# Altium PCB Motherboard_PCB_Trimmed.PcbDoc (part 2 of 5) (continued)
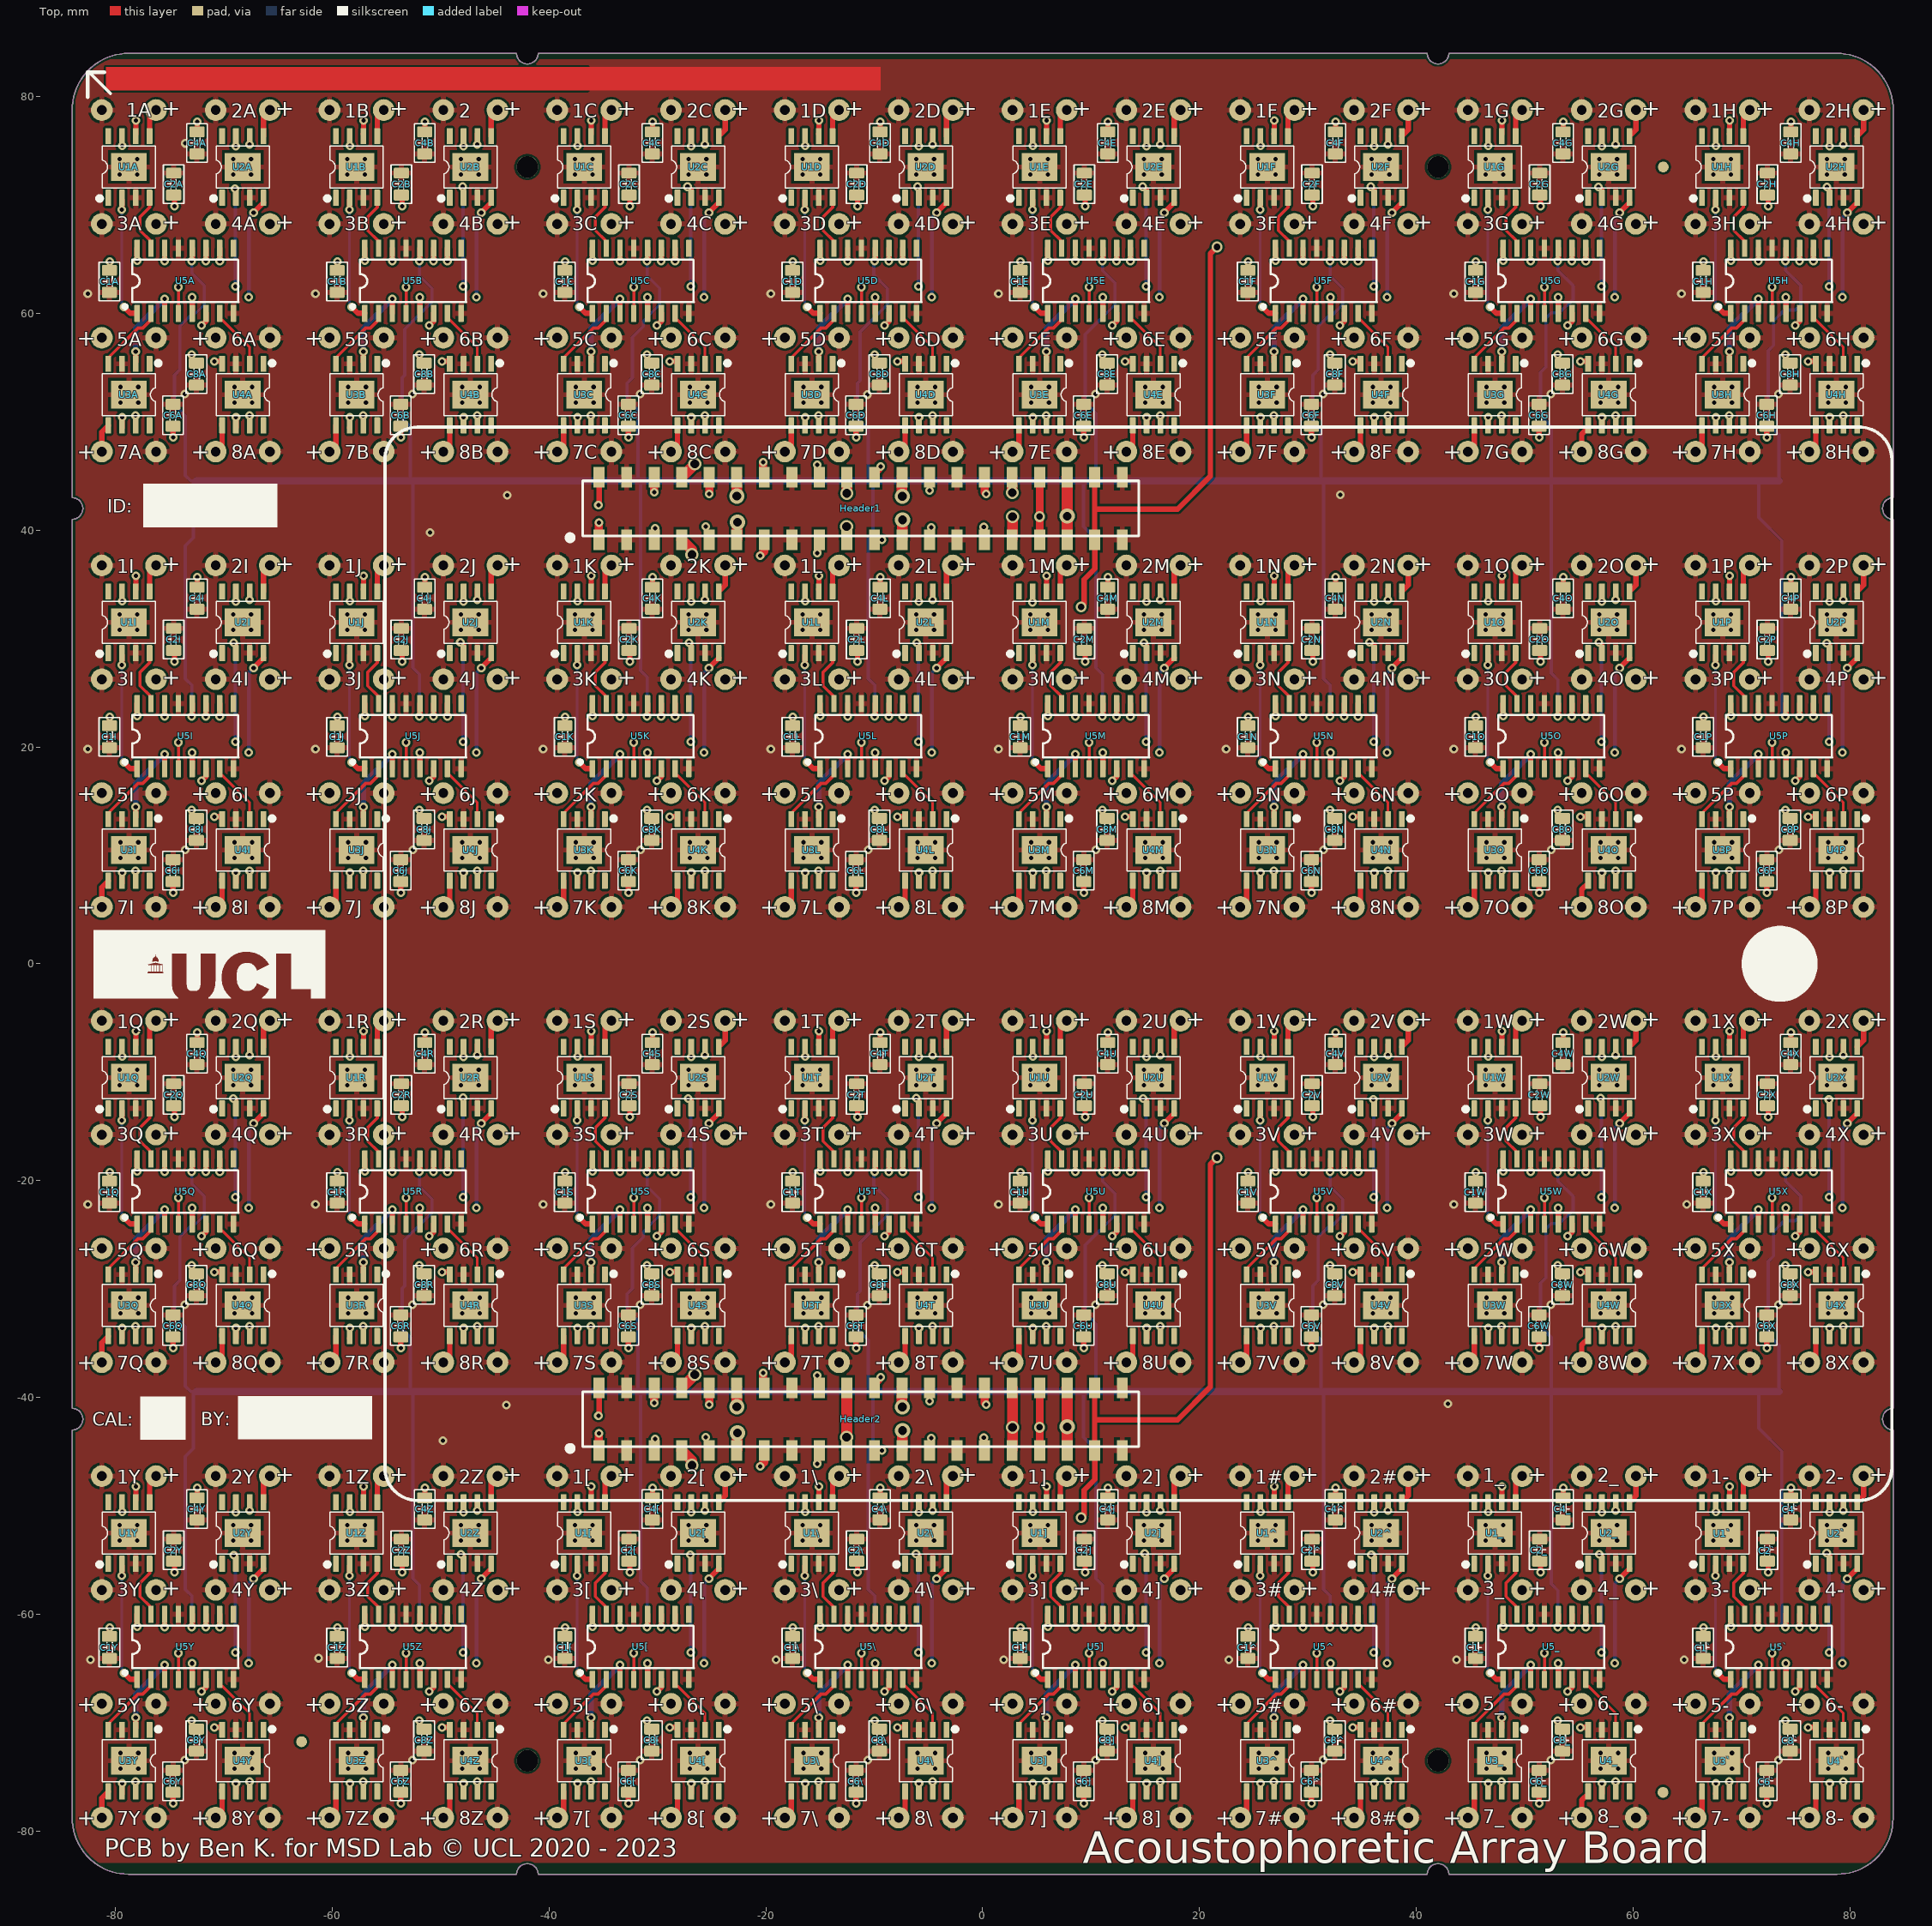
[diagram p0: Top view]
## Nets (pads, with @x,y where several pads share a name; then routed paths per layer and width w, separated by ;. In a path a pad name is that pad's centre, name@x,y a point inside that pad or via, vN(x,y) a via of type N, cw(c..) or ccw(c..) an arc to the next point about the centre after c; other vN are vias at no path point) (continued)
  Top w0.75: Header2.30@0.175,-39.1 Header2.30@0.175,-39.106 0.175,-40.5 v1(0.325,-40.65)
  Internal w0.3: v1(0.325,-40.65) 1.325,-41.65 60.75,-41.65 62.95,-39.45 62.95,-22.45 64.2,-21.2 68.95,-21.2 70.875,-19.275 71.45,-19.275 v1(71.55,-19.175)
DS25: Header2.1 U5Y.14 | length 59.3
  Top w0.5: U5Y.14@-75.455,-60 -75.45,-60.005 v1(-75.45,-61.175)
  Top w0.75: v1(-35.4,-43.3) -35.4,-44.872 Header2.1@-35.385,-44.887
  Internal w0.3: v1(-75.45,-61.175) -75.45,-60.6 -74.8,-59.95 -63.3,-59.95 -62.8,-59.45 -62.8,-45.046 -60.677,-42.923 -35.777,-42.923 v1(-35.4,-43.3)
DS26: Header2.5 U5Z.14 | length 42.4
  Top w0.3: Header2.5@-30.305,-44.887 -30.225,-44.807 v1(-30.225,-43.825)
  Top w0.5: U5Z.14@-54.455,-60 -54.45,-60.005 v1(-54.45,-61.175)
  Internal w0.3: v1(-54.45,-61.175) -54.45,-60.6 -53.8,-59.95 -42.8,-59.95 -42,-59.15 -42,-44.925 -41.325,-44.25 -30.65,-44.25 v1(-30.225,-43.825)
DS27: Header2.9 U5[.14 | length 23.7
  Top w0.3: U5[.14@-33.455,-60 -33.453,-60.003 -33.453,-61.172 v1(-33.45,-61.175) ; v1(-25.55,-43.675) -25.55,-44.562 Header2.9@-25.225,-44.887
  Internal w0.3: v1(-33.45,-61.175) -33.45,-60.45 -31.05,-58.05 -31.05,-52.55 -27.9,-49.4 -27.2,-49.4 -25.575,-47.775 -25.575,-43.7 v1(-25.55,-43.675)
DS28: Header2.13 U5\.14 | length 24.7
  Top w0.5: U5\.14@-12.455,-60 -12.45,-60.005 v1(-12.45,-61.175)
  Top w0.75: v1(-20.525,-46.35) -20.145,-45.97 Header2.13@-20.145,-44.894 Header2.13@-20.145,-44.887
  Internal w0.3: v1(-20.525,-46.35) -20.825,-46.65 -20.825,-58.7 -19.7,-59.825 -13.8,-59.825 v1(-12.45,-61.175)
DS29: Header2.17 U5].14 | length 38
  Top w0.3: v1(-15.25,-46.1) -15.065,-45.915 Header2.17@-15.065,-44.894 Header2.17@-15.065,-44.887 ; U5].14@8.545,-60 8.547,-60.003 8.547,-61.172 v1(8.55,-61.175)
  Internal w0.3: v1(-15.25,-46.1) -16.25,-47.1 -16.25,-48.75 -15.65,-49.35 -14.925,-49.35 -9.925,-54.35 -9.925,-58.625 -8.6,-59.95 7.325,-59.95 v1(8.55,-61.175)
DS30: Header2.21 U5^.14 | length 52.9
  Top w0.3: Header2.21@-9.985,-44.894 -9.979,-44.9 v1(-9.3,-44.9) ; U5^.14@29.545,-60 29.547,-60.003 29.547,-61.172 v1(29.55,-61.175)
  Internal w0.3: v1(-9.3,-44.9) -9.2,-44.8 -7.7,-44.8 -3,-49.5 20.3,-49.5 20.9,-50.1 20.9,-58.575 22.5,-60.175 29.175,-60.175 29.55,-60.55 v1(29.55,-61.175)
DS31: Header2.25 U5_.14 | length 71.9
  Top w0.3: Header2.25@-4.905,-44.894 -4.75,-44.739 v1(-4.75,-43.75) ; U5_.14@50.545,-60 50.547,-60.003 50.547,-61.172 v1(50.55,-61.175)
  Internal w0.3: v1(-4.75,-43.75) -3.4,-45.1 40,-45.1 41.7,-46.8 41.7,-58.1 43.8,-60.2 50.2,-60.2 50.55,-60.55 v1(50.55,-61.175)
DS32: Header2.29 U5`.14 | length 89.4
  Top w0.5: U5`.14@71.545,-60 71.55,-60.005 v1(71.55,-61.175)
  Top w0.75: Header2.29@0.1,-44.125 v1(0.1,-43.7)
  Internal w0.3: v1(0.1,-43.7) 1.45,-43.7 1.65,-43.9 62.4,-43.9 62.95,-44.45 62.95,-59.2 63.7,-59.95 71.2,-59.95 71.55,-60.3 v1(71.55,-61.175)
GND: 1#.- 1-.- 1[.- 1\.- 1].- 1_.- 1A.- 1B.- 1C.- 1D.- 1E.- 1F.- 1G.- 1H.- 1I.- 1J.- 1K.- 1L.- 1M.- 1N.- 1O.- 1P.- 1Q.- 1R.- 1S.- 1T.- 1U.- 1V.- 1W.- 1X.- 1Y.- 1Z.- 2#.- 2-.- 2.- 2[.- 2\.- 2].- 2_.- 2A.- 2C.- 2D.- 2E.- 2F.- 2G.- 2H.- 2I.- 2J.- 2K.- 2L.- 2M.- 2N.- 2O.- 2P.- 2Q.- 2R.- 2S.- 2T.- 2U.- 2V.- 2W.- 2X.- 2Y.- 2Z.- 3#.- 3-.- 3[.- 3\.- 3].- 3_.- 3A.- 3B.- 3C.- 3D.- 3E.- 3F.- 3G.- 3H.- 3I.- 3J.- 3K.- 3L.- 3M.- 3N.- 3O.- 3P.- 3Q.- 3R.- 3S.- 3T.- 3U.- 3V.- 3W.- 3X.- 3Y.- 3Z.- 4#.- 4-.- 4[.- 4\.- 4].- 4_.- 4A.- 4B.- 4C.- 4D.- 4E.- 4F.- 4G.- 4H.- 4I.- 4J.- 4K.- 4L.- 4M.- 4N.- 4O.- 4P.- 4Q.- 4R.- 4S.- 4T.- 4U.- 4V.- 4W.- 4X.- 4Y.- 4Z.- 5#.- 5-.- 5[.- 5\.- 5].- 5_.- 5A.- 5B.- 5C.- 5D.- 5E.- 5F.- 5G.- 5H.- 5I.- 5J.- 5K.- 5L.- 5M.- 5N.- 5O.- 5P.- 5Q.- 5R.- 5S.- 5T.- 5U.- 5V.- 5W.- 5X.- 5Y.- 5Z.- 6#.- 6-.- 6[.- 6\.- 6].- 6_.- 6A.- 6B.- 6C.- 6D.- 6E.- 6F.- 6G.- 6H.- 6I.- 6J.- 6K.- 6L.- 6M.- 6N.- 6O.- 6P.- 6Q.- 6R.- 6S.- 6T.- 6U.- 6V.- 6W.- 6X.- 6Y.- 6Z.- 7#.- 7-.- 7[.- 7\.- 7].- 7_.- 7A.- 7B.- 7C.- 7D.- 7E.- 7F.- 7G.- 7H.- 7I.- 7J.- 7K.- 7L.- 7M.- 7N.- 7O.- 7P.- 7Q.- 7R.- 7S.- 7T.- 7U.- 7V.- 7W.- 7X.- 7Y.- 7Z.- 8#.- 8-.- 8[.- 8\.- 8].- 8_.- 8A.- 8B.- 8C.- 8D.- 8E.- 8F.- 8G.- 8H.- 8I.- 8J.- 8K.- 8L.- 8M.- 8N.- 8O.- 8P.- 8Q.- 8R.- 8S.- 8T.- 8U.- 8V.- 8W.- 8X.- 8Y.- 8Z.- C1[.2 C1\.2 C1].2 C1^.2 C1_.2 C1`.2 C1A.2 C1B.2 C1C.2 C1D.2 C1E.2 C1F.2 C1G.2 C1H.2 C1I.2 C1J.2 C1K.2 C1L.2 C1M.2 C1N.2 C1O.2 C1P.2 C1Q.2 C1R.2 C1S.2 C1T.2 C1U.2 C1V.2 C1W.2 C1X.2 C1Y.2 C1Z.2 C2[.2 C2\.2 C2].2 C2^.2 C2_.2 C2`.2 C2A.2 C2B.2 C2C.2 C2D.2 C2E.2 C2F.2 C2G.2 C2H.2 C2I.2 C2J.2 C2K.2 C2L.2 C2M.2 C2N.2 C2O.2 C2P.2 C2Q.2 C2R.2 C2S.2 C2T.2 C2U.2 C2V.2 C2W.2 C2X.2 C2Y.2 C2Z.2 C4[.2 C4\.2 C4].2 C4^.2 C4_.2 C4`.2 C4A.2 C4B.2 C4C.2 C4D.2 C4E.2 C4F.2 C4G.2 C4H.2 C4I.2 C4J.2 C4K.2 C4L.2 C4M.2 C4N.2 C4O.2 C4P.2 C4Q.2 C4R.2 C4S.2 C4T.2 C4U.2 C4V.2 C4W.2 C4X.2 C4Y.2 C4Z.2 C6[.2 C6\.2 C6].2 C6^.2 C6_.2 C6`.2 C6A.2 C6B.2 C6C.2 C6D.2 C6E.2 C6F.2 C6G.2 C6H.2 C6I.2 C6J.2 C6K.2 C6L.2 C6M.2 C6N.2 C6O.2 C6P.2 C6Q.2 C6R.2 C6S.2 C6T.2 C6U.2 C6V.2 C6W.2 C6X.2 C6Y.2 C6Z.2 C8[.2 C8\.2 C8].2 C8^.2 C8_.2 C8`.2 C8A.2 C8B.2 C8C.2 C8D.2 C8E.2 C8F.2 C8G.2 C8H.2 C8I.2 C8J.2 C8K.2 C8L.2 C8M.2 C8N.2 C8O.2 C8P.2 C8Q.2 C8R.2 C8S.2 C8T.2 C8U.2 C8V.2 C8W.2 C8X.2 C8Y.2 C8Z.2 Header1.3 Header1.4 Header1.15 Header1.16 Header1.27 Header1.28 Header1.39 Header1.40 Header2.3 Header2.4 Header2.15 Header2.16 Header2.27 Header2.28 Header2.39 Header2.40 U1[.3 U1\.3 U1].3 U1^.3 U1_.3 U1`.3 U1A.3 U1B.3 U1C.3 U1D.3 U1E.3 U1F.3 U1G.3 U1H.3 U1I.3 U1J.3 U1K.3 U1L.3 U1M.3 U1N.3 U1O.3 U1P.3 U1Q.3 U1R.3 U1S.3 U1T.3 U1U.3 U1V.3 U1W.3 U1X.3 U1Y.3 U1Z.3 U2[.3 U2\.3 U2].3 U2^.3 U2_.3 U2`.3 U2A.3 U2B.3 U2C.3 U2D.3 U2E.3 U2F.3 U2G.3 U2H.3 U2I.3 U2J.3 U2K.3 U2L.3 U2M.3 U2N.3 U2O.3 U2P.3 U2Q.3 U2R.3 U2S.3 U2T.3 U2U.3 U2V.3 U2W.3 U2X.3 U2Y.3 U2Z.3 U3[.3 U3\.3 U3].3 U3^.3 U3_.3 U3`.3 U3A.3 U3B.3 U3C.3 U3D.3 U3E.3 U3F.3 U3G.3 U3H.3 U3I.3 U3J.3 U3K.3 U3L.3 U3M.3 U3N.3 U3O.3 U3P.3 U3Q.3 U3R.3 U3S.3 U3T.3 U3U.3 U3V.3 U3W.3 U3X.3 U3Y.3 U3Z.3 U4[.3 U4\.3 U4].3 U4^.3 U4_.3 U4`.3 U4A.3 U4B.3 U4C.3 U4D.3 U4E.3 U4F.3 U4G.3 U4H.3 U4I.3 U4J.3 U4K.3 U4L.3 U4M.3 U4N.3 U4O.3 U4P.3 U4Q.3 U4R.3 U4S.3 U4T.3 U4U.3 U4V.3 U4W.3 U4X.3 U4Y.3 U4Z.3 U5[.8 U5[.13 U5\.8 U5\.13 U5].8 U5].13 U5^.8 U5^.13 U5_.8 U5_.13 U5`.8 U5`.13 U5A.8 U5A.13 U5B.8 U5B.13 U5C.8 U5C.13 U5D.8 U5D.13 U5E.8 U5E.13 U5F.8 U5F.13 U5G.8 U5G.13 U5H.8 U5H.13 U5I.8 U5I.13 U5J.8 U5J.13 U5K.8 U5K.13 U5L.8 U5L.13 U5M.8 U5M.13 U5N.8 U5N.13 U5O.8 U5O.13 U5P.8 U5P.13 U5Q.8 U5Q.13 U5R.8 U5R.13 U5S.8 U5S.13 U5T.8 U5T.13 U5U.8 U5U.13 U5V.8 U5V.13 U5W.8 U5W.13 U5X.8 U5X.13 U5Y.8 U5Y.13 U5Z.8 U5Z.13 | length 0.3
  Top w0.5: C2B.2@-53.625,72.891 C2B.2@-53.625,72.941 ; C2C.2@-32.625,72.891 C2C.2@-32.625,72.941 ; C2D.2@-11.625,72.891 C2D.2@-11.625,72.941 ; C2E.2@9.375,72.891 C2E.2@9.375,72.941 ; C2F.2@30.375,72.891 C2F.2@30.375,72.941 ; C2G.2@51.375,72.891 C2G.2@51.375,72.941 ; C2H.2@72.375,72.891 C2H.2@72.375,72.941
  other v1: -73.6,-73.45 -52.6,-73.45 -31.6,-73.45 -10.6,-73.45 10.425,-73.45 52.4,-73.45 73.4,-73.45 31.4,-73.425 -82.3,-64.2 -40.05,-64.2 -19.05,-64.2 1.95,-64.2 22.7,-64.2 43.7,-64.2 64.7,-64.2 -61.249,-64.047 -49.8,-43.975 -43.925,-40.7 42.925,-40.575 -10.625,-31.475 -73.6,-31.45 -52.6,-31.45 -31.6,-31.45 10.4,-31.45 31.4,-31.45 52.4,-31.45 73.4,-31.45 -82.55,-22.2 -61.55,-22.2 -40.55,-22.2 -19.55,-22.2 1.45,-22.2 43.45,-22.2 64.95,-22.2 -73.55,10.525 -52.55,10.525 -31.55,10.525 -10.55,10.525 10.45,10.525 31.45,10.525 52.45,10.525 73.45,10.525 -82.55,19.8 -61.55,19.8 -40.55,19.8 -19.55,19.8 1.45,19.8 22.45,19.8 43.45,19.8 64.45,19.8 -50.975,39.775 -43.85,43.225 33,43.25 -10.625,52.5 -73.6,52.55 -52.6,52.55 -31.6,52.55 10.4,52.55 31.4,52.55 52.4,52.55 73.4,52.55 -82.55,61.8 -61.55,61.8 -40.55,61.8 -19.55,61.8 1.45,61.8 43.45,61.8 64.45,61.8 -73.55,75.675
  other v2: -79.512,-74.237 -77.886,-74.237 -69.012,-74.237 -67.386,-74.237 -58.512,-74.237 -56.886,-74.237 -48.012,-74.237 -46.386,-74.237 -37.512,-74.237 -35.886,-74.237 -27.012,-74.237 -25.386,-74.237 -16.512,-74.237 -14.886,-74.237 -6.012,-74.237 -4.386,-74.237 4.488,-74.237 6.114,-74.237 14.988,-74.237 16.614,-74.237 25.488,-74.237 27.114,-74.237 35.988,-74.237 37.614,-74.237 46.488,-74.237 48.114,-74.237 56.988,-74.237 58.614,-74.237 67.488,-74.237 69.114,-74.237 77.988,-74.237 79.614,-74.237 -79.512,-72.789 -77.886,-72.789 -69.012,-72.789 -67.386,-72.789 -58.512,-72.789 -56.886,-72.789 -48.012,-72.789 -46.386,-72.789 -37.512,-72.789 -35.886,-72.789 -27.012,-72.789 -25.386,-72.789 -16.512,-72.789 -14.886,-72.789 -6.012,-72.789 -4.386,-72.789 4.488,-72.789 6.114,-72.789 14.988,-72.789 16.614,-72.789 25.488,-72.789 27.114,-72.789 35.988,-72.789 37.614,-72.789 46.488,-72.789 48.114,-72.789 56.988,-72.789 58.614,-72.789 67.488,-72.789 69.114,-72.789 77.988,-72.789 79.614,-72.789 -79.614,-53.211 -77.988,-53.211 -69.114,-53.211 -67.488,-53.211 -58.614,-53.211 -56.988,-53.211 -48.114,-53.211 -46.488,-53.211 -37.614,-53.211 -35.988,-53.211 -27.114,-53.211 -25.488,-53.211 -16.614,-53.211 -14.988,-53.211 -6.114,-53.211 -4.488,-53.211 4.386,-53.211 6.012,-53.211 14.886,-53.211 16.512,-53.211 25.386,-53.211 27.012,-53.211 35.886,-53.211 37.512,-53.211 46.386,-53.211 48.012,-53.211 56.886,-53.211 58.512,-53.211 67.386,-53.211 69.012,-53.211 77.886,-53.211 79.512,-53.211 -79.614,-51.763 -77.988,-51.763 -69.114,-51.763 -67.488,-51.763 -58.614,-51.763 -56.988,-51.763 -48.114,-51.763 -46.488,-51.763 -37.614,-51.763 -35.988,-51.763 -27.114,-51.763 -25.488,-51.763 -16.614,-51.763 -14.988,-51.763 -6.114,-51.763 -4.488,-51.763 4.386,-51.763 6.012,-51.763 14.886,-51.763 16.512,-51.763 25.386,-51.763 27.012,-51.763 35.886,-51.763 37.512,-51.763 46.386,-51.763 48.012,-51.763 56.886,-51.763 58.512,-51.763 67.386,-51.763 69.012,-51.763 77.886,-51.763 79.512,-51.763 -79.512,-32.237 -77.886,-32.237 -69.012,-32.237 -67.386,-32.237 -58.512,-32.237 -56.886,-32.237 -48.012,-32.237 -46.386,-32.237 -37.512,-32.237 -35.886,-32.237 -27.012,-32.237 -25.386,-32.237 -16.512,-32.237 -14.886,-32.237 -6.012,-32.237 -4.386,-32.237 4.488,-32.237 6.114,-32.237 14.988,-32.237 16.614,-32.237 25.488,-32.237 27.114,-32.237 35.988,-32.237 37.614,-32.237 46.488,-32.237 48.114,-32.237 56.988,-32.237 58.614,-32.237 67.488,-32.237 69.114,-32.237 77.988,-32.237 79.614,-32.237 -79.512,-30.789 -77.886,-30.789 -69.012,-30.789 -67.386,-30.789 -58.512,-30.789 -56.886,-30.789 -48.012,-30.789 -46.386,-30.789 -37.512,-30.789 -35.886,-30.789 -27.012,-30.789 -25.386,-30.789 -16.512,-30.789 -14.886,-30.789 -6.012,-30.789 -4.386,-30.789 4.488,-30.789 6.114,-30.789 14.988,-30.789 16.614,-30.789 25.488,-30.789 27.114,-30.789 35.988,-30.789 37.614,-30.789 46.488,-30.789 48.114,-30.789 56.988,-30.789 58.614,-30.789 67.488,-30.789 69.114,-30.789 77.988,-30.789 79.614,-30.789 -79.614,-11.211 -77.988,-11.211 -69.114,-11.211 -67.488,-11.211 -58.614,-11.211 -56.988,-11.211 -48.114,-11.211 -46.488,-11.211 -37.614,-11.211 -35.988,-11.211 -27.114,-11.211 -25.488,-11.211 -16.614,-11.211 -14.988,-11.211 -6.114,-11.211 -4.488,-11.211 4.386,-11.211 6.012,-11.211 14.886,-11.211 16.512,-11.211 25.386,-11.211 27.012,-11.211 35.886,-11.211 37.512,-11.211 46.386,-11.211 48.012,-11.211 56.886,-11.211 58.512,-11.211 67.386,-11.211 69.012,-11.211 77.886,-11.211 79.512,-11.211 -79.614,-9.763 -77.988,-9.763 -69.114,-9.763 -67.488,-9.763 -58.614,-9.763 -56.988,-9.763 -48.114,-9.763 -46.488,-9.763 -37.614,-9.763 -35.988,-9.763 -27.114,-9.763 -25.488,-9.763 -16.614,-9.763 -14.988,-9.763 -6.114,-9.763 -4.488,-9.763 4.386,-9.763 6.012,-9.763 14.886,-9.763 16.512,-9.763 25.386,-9.763 27.012,-9.763 35.886,-9.763 37.512,-9.763 46.386,-9.763 48.012,-9.763 56.886,-9.763 58.512,-9.763 67.386,-9.763 69.012,-9.763 77.886,-9.763 79.512,-9.763 -79.512,9.763 -77.886,9.763 -69.012,9.763 -67.386,9.763 -58.512,9.763 -56.886,9.763 -48.012,9.763 -46.386,9.763 -37.512,9.763 -35.886,9.763 -27.012,9.763 -25.386,9.763 -16.512,9.763 -14.886,9.763 -6.012,9.763 -4.386,9.763 4.488,9.763 6.114,9.763 14.988,9.763 16.614,9.763 25.488,9.763 27.114,9.763 35.988,9.763 37.614,9.763 46.488,9.763 48.114,9.763 56.988,9.763 58.614,9.763 67.488,9.763 69.114,9.763 77.988,9.763 79.614,9.763 -79.512,11.211 -77.886,11.211 -69.012,11.211 -67.386,11.211 -58.512,11.211 -56.886,11.211 -48.012,11.211 -46.386,11.211 -37.512,11.211 -35.886,11.211 -27.012,11.211 -25.386,11.211 -16.512,11.211 -14.886,11.211 -6.012,11.211 -4.386,11.211 4.488,11.211 6.114,11.211 14.988,11.211 16.614,11.211 25.488,11.211 27.114,11.211 35.988,11.211 37.614,11.211 46.488,11.211 48.114,11.211 56.988,11.211 58.614,11.211 67.488,11.211 69.114,11.211 77.988,11.211 79.614,11.211 -79.614,30.789 -77.988,30.789 -69.114,30.789 -67.488,30.789 -58.614,30.789 -56.988,30.789 -48.114,30.789 -46.488,30.789 -37.614,30.789 -35.988,30.789 -27.114,30.789 -25.488,30.789 -16.614,30.789 -14.988,30.789 -6.114,30.789 -4.488,30.789 4.386,30.789 6.012,30.789 14.886,30.789 16.512,30.789 25.386,30.789 27.012,30.789 35.886,30.789 37.512,30.789 46.386,30.789 48.012,30.789 56.886,30.789 58.512,30.789 67.386,30.789 69.012,30.789 77.886,30.789 79.512,30.789 -79.614,32.237 -77.988,32.237 -69.114,32.237 -67.488,32.237 -58.614,32.237 -56.988,32.237 -48.114,32.237 -46.488,32.237 -37.614,32.237 -35.988,32.237 -27.114,32.237 -25.488,32.237 -16.614,32.237 -14.988,32.237 -6.114,32.237 -4.488,32.237 4.386,32.237 6.012,32.237 14.886,32.237 16.512,32.237 25.386,32.237 27.012,32.237 35.886,32.237 37.512,32.237 46.386,32.237 48.012,32.237 56.886,32.237 58.512,32.237 67.386,32.237 69.012,32.237 77.886,32.237 79.512,32.237 -79.512,51.763 -77.886,51.763 -69.012,51.763 -67.386,51.763 -58.512,51.763 -56.886,51.763 -48.012,51.763 -46.386,51.763 -37.512,51.763 -35.886,51.763 -27.012,51.763 -25.386,51.763 -16.512,51.763 -14.886,51.763 -6.012,51.763 -4.386,51.763 4.488,51.763 6.114,51.763 14.988,51.763 16.614,51.763 25.488,51.763 27.114,51.763 35.988,51.763 37.614,51.763 46.488,51.763 48.114,51.763 56.988,51.763 58.614,51.763 67.488,51.763 69.114,51.763 77.988,51.763 79.614,51.763 -79.512,53.211 -77.886,53.211 -69.012,53.211 -67.386,53.211 -58.512,53.211 -56.886,53.211 -48.012,53.211 -46.386,53.211 -37.512,53.211 -35.886,53.211 -27.012,53.211 -25.386,53.211 -16.512,53.211 -14.886,53.211 -6.012,53.211 -4.386,53.211 4.488,53.211 6.114,53.211 14.988,53.211 16.614,53.211 25.488,53.211 27.114,53.211 35.988,53.211 37.614,53.211 46.488,53.211 48.114,53.211 56.988,53.211 58.614,53.211 67.488,53.211 69.114,53.211 77.988,53.211 79.614,53.211 -79.614,72.789 -77.988,72.789 -69.114,72.789 -67.488,72.789 -58.614,72.789 -56.988,72.789 -48.114,72.789 -46.488,72.789 -37.614,72.789 -35.988,72.789 -27.114,72.789 -25.488,72.789 -16.614,72.789 -14.988,72.789 -6.114,72.789 -4.488,72.789 4.386,72.789 6.012,72.789 14.886,72.789 16.512,72.789 25.386,72.789 27.012,72.789 35.886,72.789 37.512,72.789 46.386,72.789 48.012,72.789 56.886,72.789 58.512,72.789 67.386,72.789 69.012,72.789 77.886,72.789 79.512,72.789 -79.614,74.237 -77.988,74.237 -69.114,74.237 -67.488,74.237 -58.614,74.237 -56.988,74.237 -48.114,74.237 -46.488,74.237 -37.614,74.237 -35.988,74.237 -27.114,74.237 -25.488,74.237 -16.614,74.237 -14.988,74.237 -6.114,74.237 -4.488,74.237 4.386,74.237 6.012,74.237 14.886,74.237 16.512,74.237 25.386,74.237 27.012,74.237 35.886,74.237 37.512,74.237 46.386,74.237 48.012,74.237 56.886,74.237 58.512,74.237 67.386,74.237 69.012,74.237 77.886,74.237 79.512,74.237
INA_1[: U1[.2 U5[.1 | length 11.4
  Top w0.5: v1@-37.395,-56.45 U1[.2@-37.395,-55.545 ; v1(-37.2,-65.425) -36.625,-66 U5[.1@-35.995,-66
  Bottom w0.254: v1(-37.4,-56.45) -37.4,-65.225 v1(-37.2,-65.425)
INA_1\: U1\.2 U5\.1 | length 11.4
  Top w0.5: v1@-16.395,-56.45 U1\.2@-16.395,-55.545 ; v1(-16.2,-65.425) -15.625,-66 U5\.1@-14.995,-66
  Bottom w0.254: v1(-16.4,-56.45) -16.4,-65.225 v1(-16.2,-65.425)
INA_1]: U1].2 U5].1 | length 11.4
  Top w0.5: v1@4.605,-56.45 U1].2@4.605,-55.545 ; v1(4.8,-65.425) 5.375,-66 U5].1@6.005,-66
  Bottom w0.254: v1(4.6,-56.45) 4.6,-65.225 v1(4.8,-65.425)
INA_1^: U1^.2 U5^.1 | length 11.4
  Top w0.5: v1@25.605,-56.45 U1^.2@25.605,-55.545 ; v1(25.8,-65.425) 26.375,-66 U5^.1@27.005,-66
  Bottom w0.254: v1(25.6,-56.45) 25.6,-65.225 v1(25.8,-65.425)
INA_1_: U1_.2 U5_.1 | length 11.4
  Top w0.5: v1@46.605,-56.45 U1_.2@46.605,-55.545 ; v1(46.8,-65.425) 47.375,-66 U5_.1@48.005,-66
  Bottom w0.254: v1(46.6,-56.45) 46.6,-65.225 v1(46.8,-65.425)
INA_1`: U1`.2 U5`.1 | length 11.4
  Top w0.5: v1@67.605,-56.45 U1`.2@67.605,-55.545 ; v1(67.8,-65.425) 68.375,-66 U5`.1@69.005,-66
  Bottom w0.254: v1(67.6,-56.45) 67.6,-65.225 v1(67.8,-65.425)
INA_1A: U1A.2 U5A.1 | length 11.4
  Top w0.5: v1@-79.395,69.55 U1A.2@-79.395,70.455 ; v1(-79.2,60.575) -78.625,60 U5A.1@-77.995,60
  Bottom w0.254: v1(-79.4,69.55) -79.4,60.775 v1(-79.2,60.575)
INA_1B: U1B.2 U5B.1 | length 11.4
  Top w0.5: v1@-58.395,69.55 U1B.2@-58.395,70.455 ; v1(-58.2,60.575) -57.625,60 U5B.1@-56.995,60
  Bottom w0.254: v1(-58.4,69.55) -58.4,60.775 v1(-58.2,60.575)
INA_1C: U1C.2 U5C.1 | length 11.4
  Top w0.5: v1@-37.395,69.55 U1C.2@-37.395,70.455 ; v1(-37.2,60.575) -36.625,60 U5C.1@-35.995,60
  Bottom w0.254: v1(-37.4,69.55) -37.4,60.775 v1(-37.2,60.575)
INA_1D: U1D.2 U5D.1 | length 11.4
  Top w0.5: v1@-16.395,69.55 U1D.2@-16.395,70.455 ; v1(-16.2,60.575) -15.625,60 U5D.1@-14.995,60
  Bottom w0.254: v1(-16.4,69.55) -16.4,60.775 v1(-16.2,60.575)
INA_1E: U1E.2 U5E.1 | length 11.4
  Top w0.5: v1@4.605,69.55 U1E.2@4.605,70.455 ; v1(4.8,60.575) 5.375,60 U5E.1@6.005,60
  Bottom w0.254: v1(4.6,69.55) 4.6,60.775 v1(4.8,60.575)
INA_1F: U1F.2 U5F.1 | length 11.4
  Top w0.5: v1@25.605,69.55 U1F.2@25.605,70.455 ; v1(25.8,60.575) 26.375,60 U5F.1@27.005,60
  Bottom w0.254: v1(25.6,69.55) 25.6,60.775 v1(25.8,60.575)
INA_1G: U1G.2 U5G.1 | length 11.4
  Top w0.5: v1@46.605,69.55 U1G.2@46.605,70.455 ; v1(46.8,60.575) 47.375,60 U5G.1@48.005,60
  Bottom w0.254: v1(46.6,69.55) 46.6,60.775 v1(46.8,60.575)
INA_1H: U1H.2 U5H.1 | length 11.4
  Top w0.5: v1@67.605,69.55 U1H.2@67.605,70.455 ; v1(67.8,60.575) 68.375,60 U5H.1@69.005,60
  Bottom w0.254: v1(67.6,69.55) 67.6,60.775 v1(67.8,60.575)
INA_1I: U1I.2 U5I.1 | length 11.4
  Top w0.5: v1@-79.395,27.55 U1I.2@-79.395,28.455 ; v1(-79.2,18.575) -78.625,18 U5I.1@-77.995,18
  Bottom w0.254: v1(-79.4,27.55) -79.4,18.775 v1(-79.2,18.575)
INA_1J: U1J.2 U5J.1 | length 11.4
  Top w0.5: v1@-58.395,27.55 U1J.2@-58.395,28.455 ; v1(-58.2,18.575) -57.625,18 U5J.1@-56.995,18
  Bottom w0.254: v1(-58.4,27.55) -58.4,18.775 v1(-58.2,18.575)
INA_1K: U1K.2 U5K.1 | length 11.4
  Top w0.5: v1@-37.395,27.55 U1K.2@-37.395,28.455 ; v1(-37.2,18.575) -36.625,18 U5K.1@-35.995,18
  Bottom w0.254: v1(-37.4,27.55) -37.4,18.775 v1(-37.2,18.575)
INA_1L: U1L.2 U5L.1 | length 11.4
  Top w0.5: v1@-16.395,27.55 U1L.2@-16.395,28.455 ; v1(-16.2,18.575) -15.625,18 U5L.1@-14.995,18
  Bottom w0.254: v1(-16.4,27.55) -16.4,18.775 v1(-16.2,18.575)
INA_1M: U1M.2 U5M.1 | length 11.4
  Top w0.5: v1@4.605,27.55 U1M.2@4.605,28.455 ; v1(4.8,18.575) 5.375,18 U5M.1@6.005,18
  Bottom w0.254: v1(4.6,27.55) 4.6,18.775 v1(4.8,18.575)
INA_1N: U1N.2 U5N.1 | length 11.4
  Top w0.5: v1@25.605,27.55 U1N.2@25.605,28.455 ; v1(25.8,18.575) 26.375,18 U5N.1@27.005,18
  Bottom w0.254: v1(25.6,27.55) 25.6,18.775 v1(25.8,18.575)
INA_1O: U1O.2 U5O.1 | length 11.4
  Top w0.5: v1@46.605,27.55 U1O.2@46.605,28.455 ; v1(46.8,18.575) 47.375,18 U5O.1@48.005,18
  Bottom w0.254: v1(46.6,27.55) 46.6,18.775 v1(46.8,18.575)
INA_1P: U1P.2 U5P.1 | length 11.4
  Top w0.5: v1@67.605,27.55 U1P.2@67.605,28.455 ; v1(67.8,18.575) 68.375,18 U5P.1@69.005,18
  Bottom w0.254: v1(67.6,27.55) 67.6,18.775 v1(67.8,18.575)
INA_1Q: U1Q.2 U5Q.1 | length 11.4
  Top w0.5: v1@-79.395,-14.45 U1Q.2@-79.395,-13.545 ; v1(-79.2,-23.425) -78.625,-24 U5Q.1@-77.995,-24
  Bottom w0.254: v1(-79.4,-14.45) -79.4,-23.225 v1(-79.2,-23.425)
INA_1R: U1R.2 U5R.1 | length 11.4
  Top w0.5: v1@-58.395,-14.45 U1R.2@-58.395,-13.545 ; v1(-58.2,-23.425) -57.625,-24 U5R.1@-56.995,-24
  Bottom w0.254: v1(-58.4,-14.45) -58.4,-23.225 v1(-58.2,-23.425)
INA_1S: U1S.2 U5S.1 | length 11.4
  Top w0.5: v1@-37.395,-14.45 U1S.2@-37.395,-13.545 ; v1(-37.2,-23.425) -36.625,-24 U5S.1@-35.995,-24
  Bottom w0.254: v1(-37.4,-14.45) -37.4,-23.225 v1(-37.2,-23.425)
INA_1T: U1T.2 U5T.1 | length 11.4
  Top w0.5: v1@-16.395,-14.45 U1T.2@-16.395,-13.545 ; v1(-16.2,-23.425) -15.625,-24 U5T.1@-14.995,-24
  Bottom w0.254: v1(-16.4,-14.45) -16.4,-23.225 v1(-16.2,-23.425)
INA_1U: U1U.2 U5U.1 | length 11.4
  Top w0.5: v1@4.605,-14.45 U1U.2@4.605,-13.545 ; v1(4.8,-23.425) 5.375,-24 U5U.1@6.005,-24
  Bottom w0.254: v1(4.6,-14.45) 4.6,-23.225 v1(4.8,-23.425)
INA_1V: U1V.2 U5V.1 | length 11.4
  Top w0.5: v1@25.605,-14.45 U1V.2@25.605,-13.545 ; v1(25.8,-23.425) 26.375,-24 U5V.1@27.005,-24
  Bottom w0.254: v1(25.6,-14.45) 25.6,-23.225 v1(25.8,-23.425)
INA_1W: U1W.2 U5W.1 | length 11.4
  Top w0.5: v1@46.605,-14.45 U1W.2@46.605,-13.545 ; v1(46.8,-23.425) 47.375,-24 U5W.1@48.005,-24
  Bottom w0.254: v1(46.6,-14.45) 46.6,-23.225 v1(46.8,-23.425)
INA_1X: U1X.2 U5X.1 | length 11.4
  Top w0.5: v1@67.605,-14.45 U1X.2@67.605,-13.545 ; v1(67.8,-23.425) 68.375,-24 U5X.1@69.005,-24
  Bottom w0.254: v1(67.6,-14.45) 67.6,-23.225 v1(67.8,-23.425)
INA_1Y: U1Y.2 U5Y.1 | length 11.4
  Top w0.5: v1@-79.395,-56.45 U1Y.2@-79.395,-55.545 ; v1(-79.2,-65.425) -78.625,-66 U5Y.1@-77.995,-66
  Bottom w0.254: v1(-79.4,-56.45) -79.4,-65.225 v1(-79.2,-65.425)
INA_1Z: U1Z.2 U5Z.1 | length 11.4
  Top w0.5: v1@-58.395,-56.45 U1Z.2@-58.395,-55.545 ; v1(-58.2,-65.425) -57.625,-66 U5Z.1@-56.995,-66
  Bottom w0.254: v1(-58.4,-56.45) -58.4,-65.225 v1(-58.2,-65.425)
INA_2[: U2[.2 U5[.4 | length 17.8
  Top w0.305: U5[.4@-32.185,-66 -32.175,-65.99 v1(-32.175,-63.575) ; v1(-26.975,-54.508) -26.962,-54.508 v1@-26.885,-54.585
  Top w0.5: U2[.2@-26.885,-55.545 U2[.2@-26.885,-55.345 v1@-26.885,-54.585
  Internal w0.305: v1(-32.175,-63.575) -26.975,-63.575 v1(-26.925,-63.525)
  Bottom w0.305: v1(-26.975,-54.508) -26.925,-54.558 v1(-26.925,-63.525)
INA_2\: U2\.2 U5\.4 | length 18.2
  Top w0.305: U5\.4@-11.185,-66 -11.175,-65.99 v1(-11.175,-63.575) ; v1(-6.147,-54.407) -6.063,-54.407 v1@-5.885,-54.585
  Top w0.5: U2\.2@-5.885,-55.545 U2\.2@-5.885,-55.345 v1@-5.885,-54.585
  Internal w0.305: v1(-11.175,-63.575) -5.975,-63.575 v1(-5.925,-63.525)
  Bottom w0.305: v1(-6.147,-54.407) -6.143,-54.407 -5.925,-54.625 v1(-5.925,-63.525)
INA_2]: U2].2 U5].4 | length 18.1
  Top w0.305: U5].4@9.815,-66 9.825,-65.99 v1(9.825,-63.575) ; v1(14.935,-54.381) 14.935,-54.405 v1@15.115,-54.585
  Top w0.5: U2].2@15.115,-55.545 U2].2@15.115,-55.345 v1@15.115,-54.585
  Internal w0.305: v1(9.825,-63.575) 15.025,-63.575 v1(15.075,-63.525)
  Bottom w0.305: v1(14.935,-54.381) 15.075,-54.521 v1(15.075,-63.525)
INA_2^: U2^.2 U5^.4 | length 18.4
  Top w0.305: U5^.4@30.815,-66 30.825,-65.99 v1(30.825,-63.575) ; v1(35.85,-54.5) 36.069,-54.5 36.115,-54.454 v1@36.115,-54.585
  Top w0.5: U2^.2@36.115,-55.545 U2^.2@36.115,-55.345 v1@36.115,-54.585
  Internal w0.305: v1(30.825,-63.575) 36.025,-63.575 v1(36.075,-63.525)
  Bottom w0.305: v1(35.85,-54.5) 35.989,-54.5 36.075,-54.414 v1(36.075,-63.525)
INA_2_: U2_.2 U5_.4 | length 18.1
  Top w0.305: U5_.4@51.815,-66 51.825,-65.99 v1(51.825,-63.575) ; v1(56.871,-54.458) 56.988,-54.458 v1@57.115,-54.585
  Top w0.5: U2_.2@57.115,-55.545 U2_.2@57.115,-55.345 v1@57.115,-54.585
  Internal w0.305: v1(51.825,-63.575) 57.025,-63.575 v1(57.075,-63.525)
  Bottom w0.305: v1(56.871,-54.458) 56.908,-54.458 57.075,-54.625 v1(57.075,-63.525)
INA_2`: U2`.2 U5`.4 | length 18.3
  Top w0.305: U5`.4@72.815,-66 72.825,-65.99 v1(72.825,-63.575) ; v1(77.851,-54.356) 77.886,-54.356 v1@78.115,-54.585
  Top w0.5: U2`.2@78.115,-55.545 U2`.2@78.115,-55.345 v1@78.115,-54.585
  Internal w0.305: v1(72.825,-63.575) 78.025,-63.575 v1(78.075,-63.525)
  Bottom w0.305: v1(77.851,-54.356) 77.851,-54.401 78.075,-54.625 v1(78.075,-63.525)
INA_2A: U2A.2 U5A.4 | length 17.8
  Top w0.305: U5A.4@-74.185,60 -74.175,60.01 v1(-74.175,62.425) ; v1(-68.961,71.501) -68.885,71.425 v1@-68.885,71.415
  Top w0.5: U2A.2@-68.885,70.455 U2A.2@-68.885,70.655 v1@-68.885,71.415
  Internal w0.305: v1(-74.175,62.425) -68.975,62.425 v1(-68.925,62.475)
  Bottom w0.305: v1(-68.961,71.501) -68.925,71.465 v1(-68.925,62.475)
INA_2B: U2B.2 U5B.4 | length 18.2
  Top w0.305: U5B.4@-53.185,60 -53.175,60.01 v1(-53.175,62.425) ; v1(-47.981,71.679) -47.885,71.583 v1@-47.885,71.415
  Top w0.5: U2B.2@-47.885,70.455 U2B.2@-47.885,70.655 v1@-47.885,71.415
  Internal w0.305: v1(-53.175,62.425) -47.975,62.425 v1(-47.925,62.475)
  Bottom w0.305: v1(-47.981,71.679) -47.925,71.623 v1(-47.925,62.475)
INA_2C: U2C.2 U5C.4 | length 18.4
  Top w0.305: U5C.4@-32.185,60 -32.175,60.01 v1(-32.175,62.425) ; v1(-27.229,71.679) -27.149,71.679 -26.885,71.415
  Top w0.5: U2C.2@-26.885,70.455 U2C.2@-26.885,70.655 -26.885,71.415
  Internal w0.305: v1(-32.175,62.425) -26.975,62.425 v1(-26.925,62.475)
  Bottom w0.305: v1(-27.229,71.679) -26.925,71.375 v1(-26.925,62.475)
INA_2D: U2D.2 U5D.4 | length 18.2
  Top w0.305: U5D.4@-11.185,60 -11.175,60.01 v1(-11.175,62.425) ; v1(-5.994,71.679) -5.885,71.569 v1@-5.885,71.415
  Top w0.5: U2D.2@-5.885,70.455 U2D.2@-5.885,70.655 v1@-5.885,71.415
  Internal w0.305: v1(-11.175,62.425) -5.975,62.425 v1(-5.925,62.475)
  Bottom w0.305: v1(-5.994,71.679) -5.925,71.609 v1(-5.925,62.475)
INA_2E: U2E.2 U5E.4 | length 18.5
  Top w0.305: U5E.4@9.815,60 9.825,60.01 v1(9.825,62.425) ; v1(14.757,71.679) 14.851,71.679 15.115,71.415
  Top w0.5: U2E.2@15.115,70.455 U2E.2@15.115,70.655 15.115,71.415
  Internal w0.305: v1(9.825,62.425) 15.025,62.425 v1(15.075,62.475)
  Bottom w0.305: v1(14.757,71.679) 14.771,71.679 15.075,71.375 v1(15.075,62.475)